# KiCad board phase-control.kicad_pcb
title: Phase Control; date: 2026-06-28; rev: A; company: © 2026 Sam Hanes, licensed CERN-OHL-W v2; note: https://github.com/Elemecca/lgp21-mini
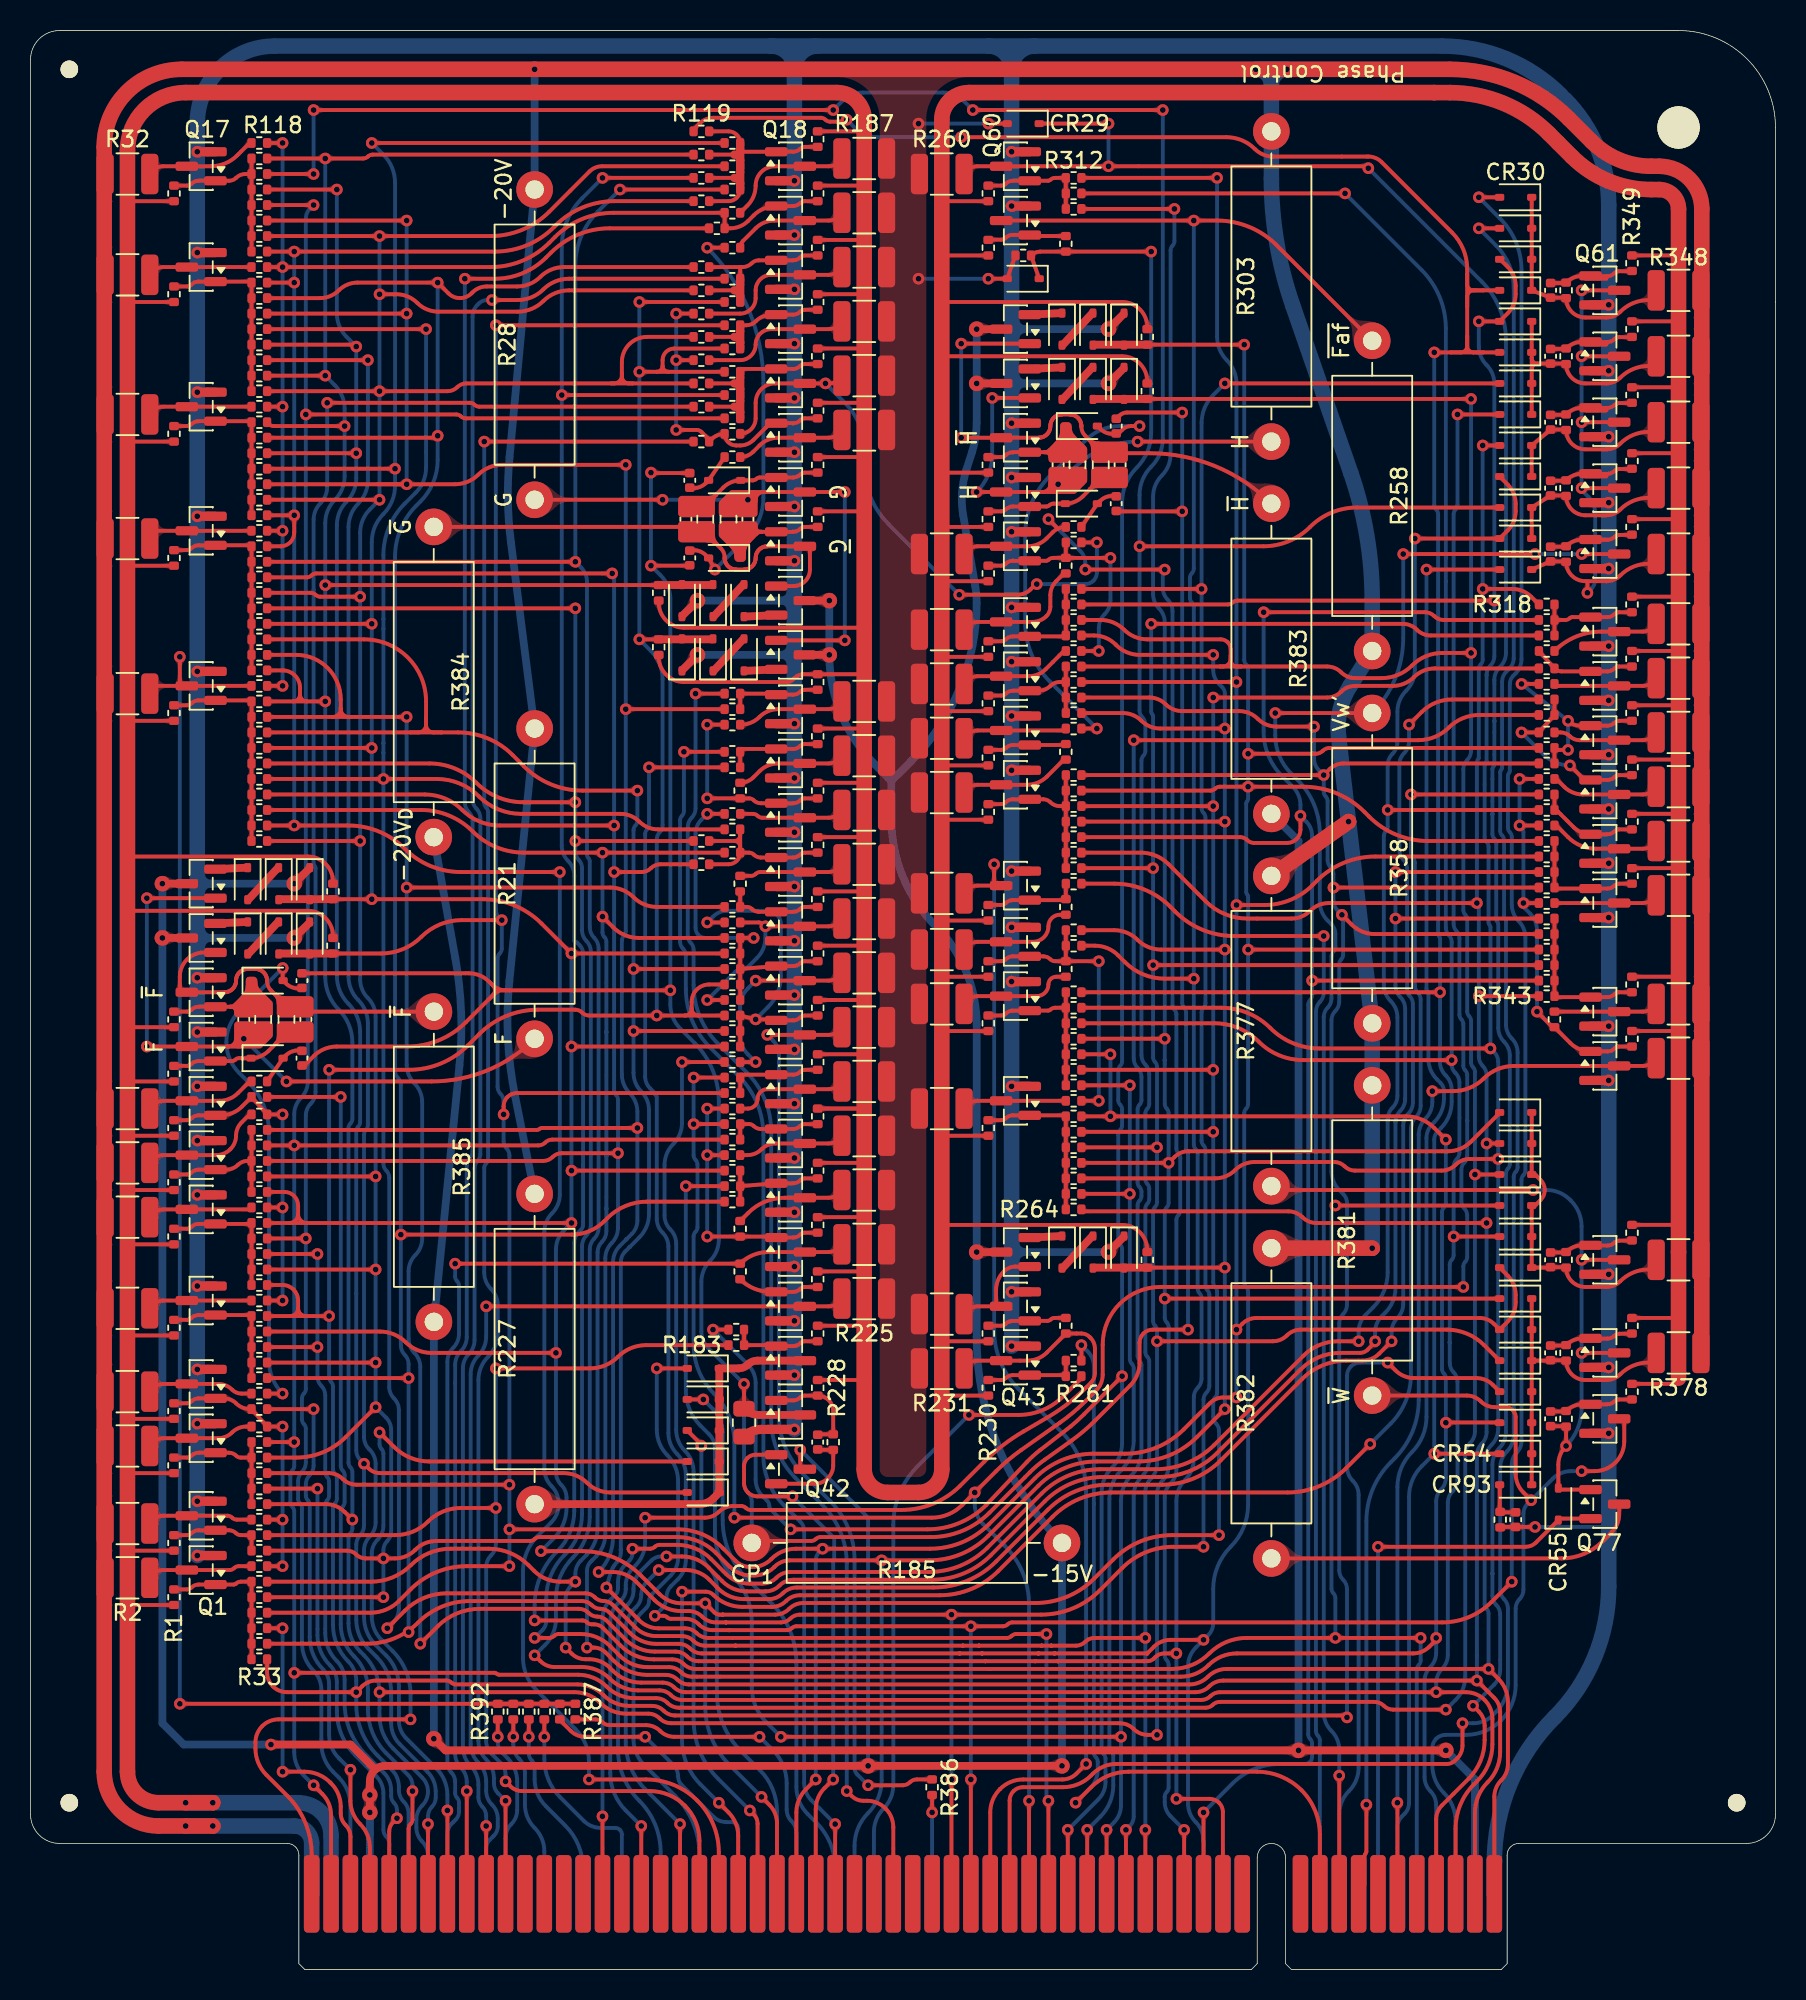
[diagram p0: board, top side]
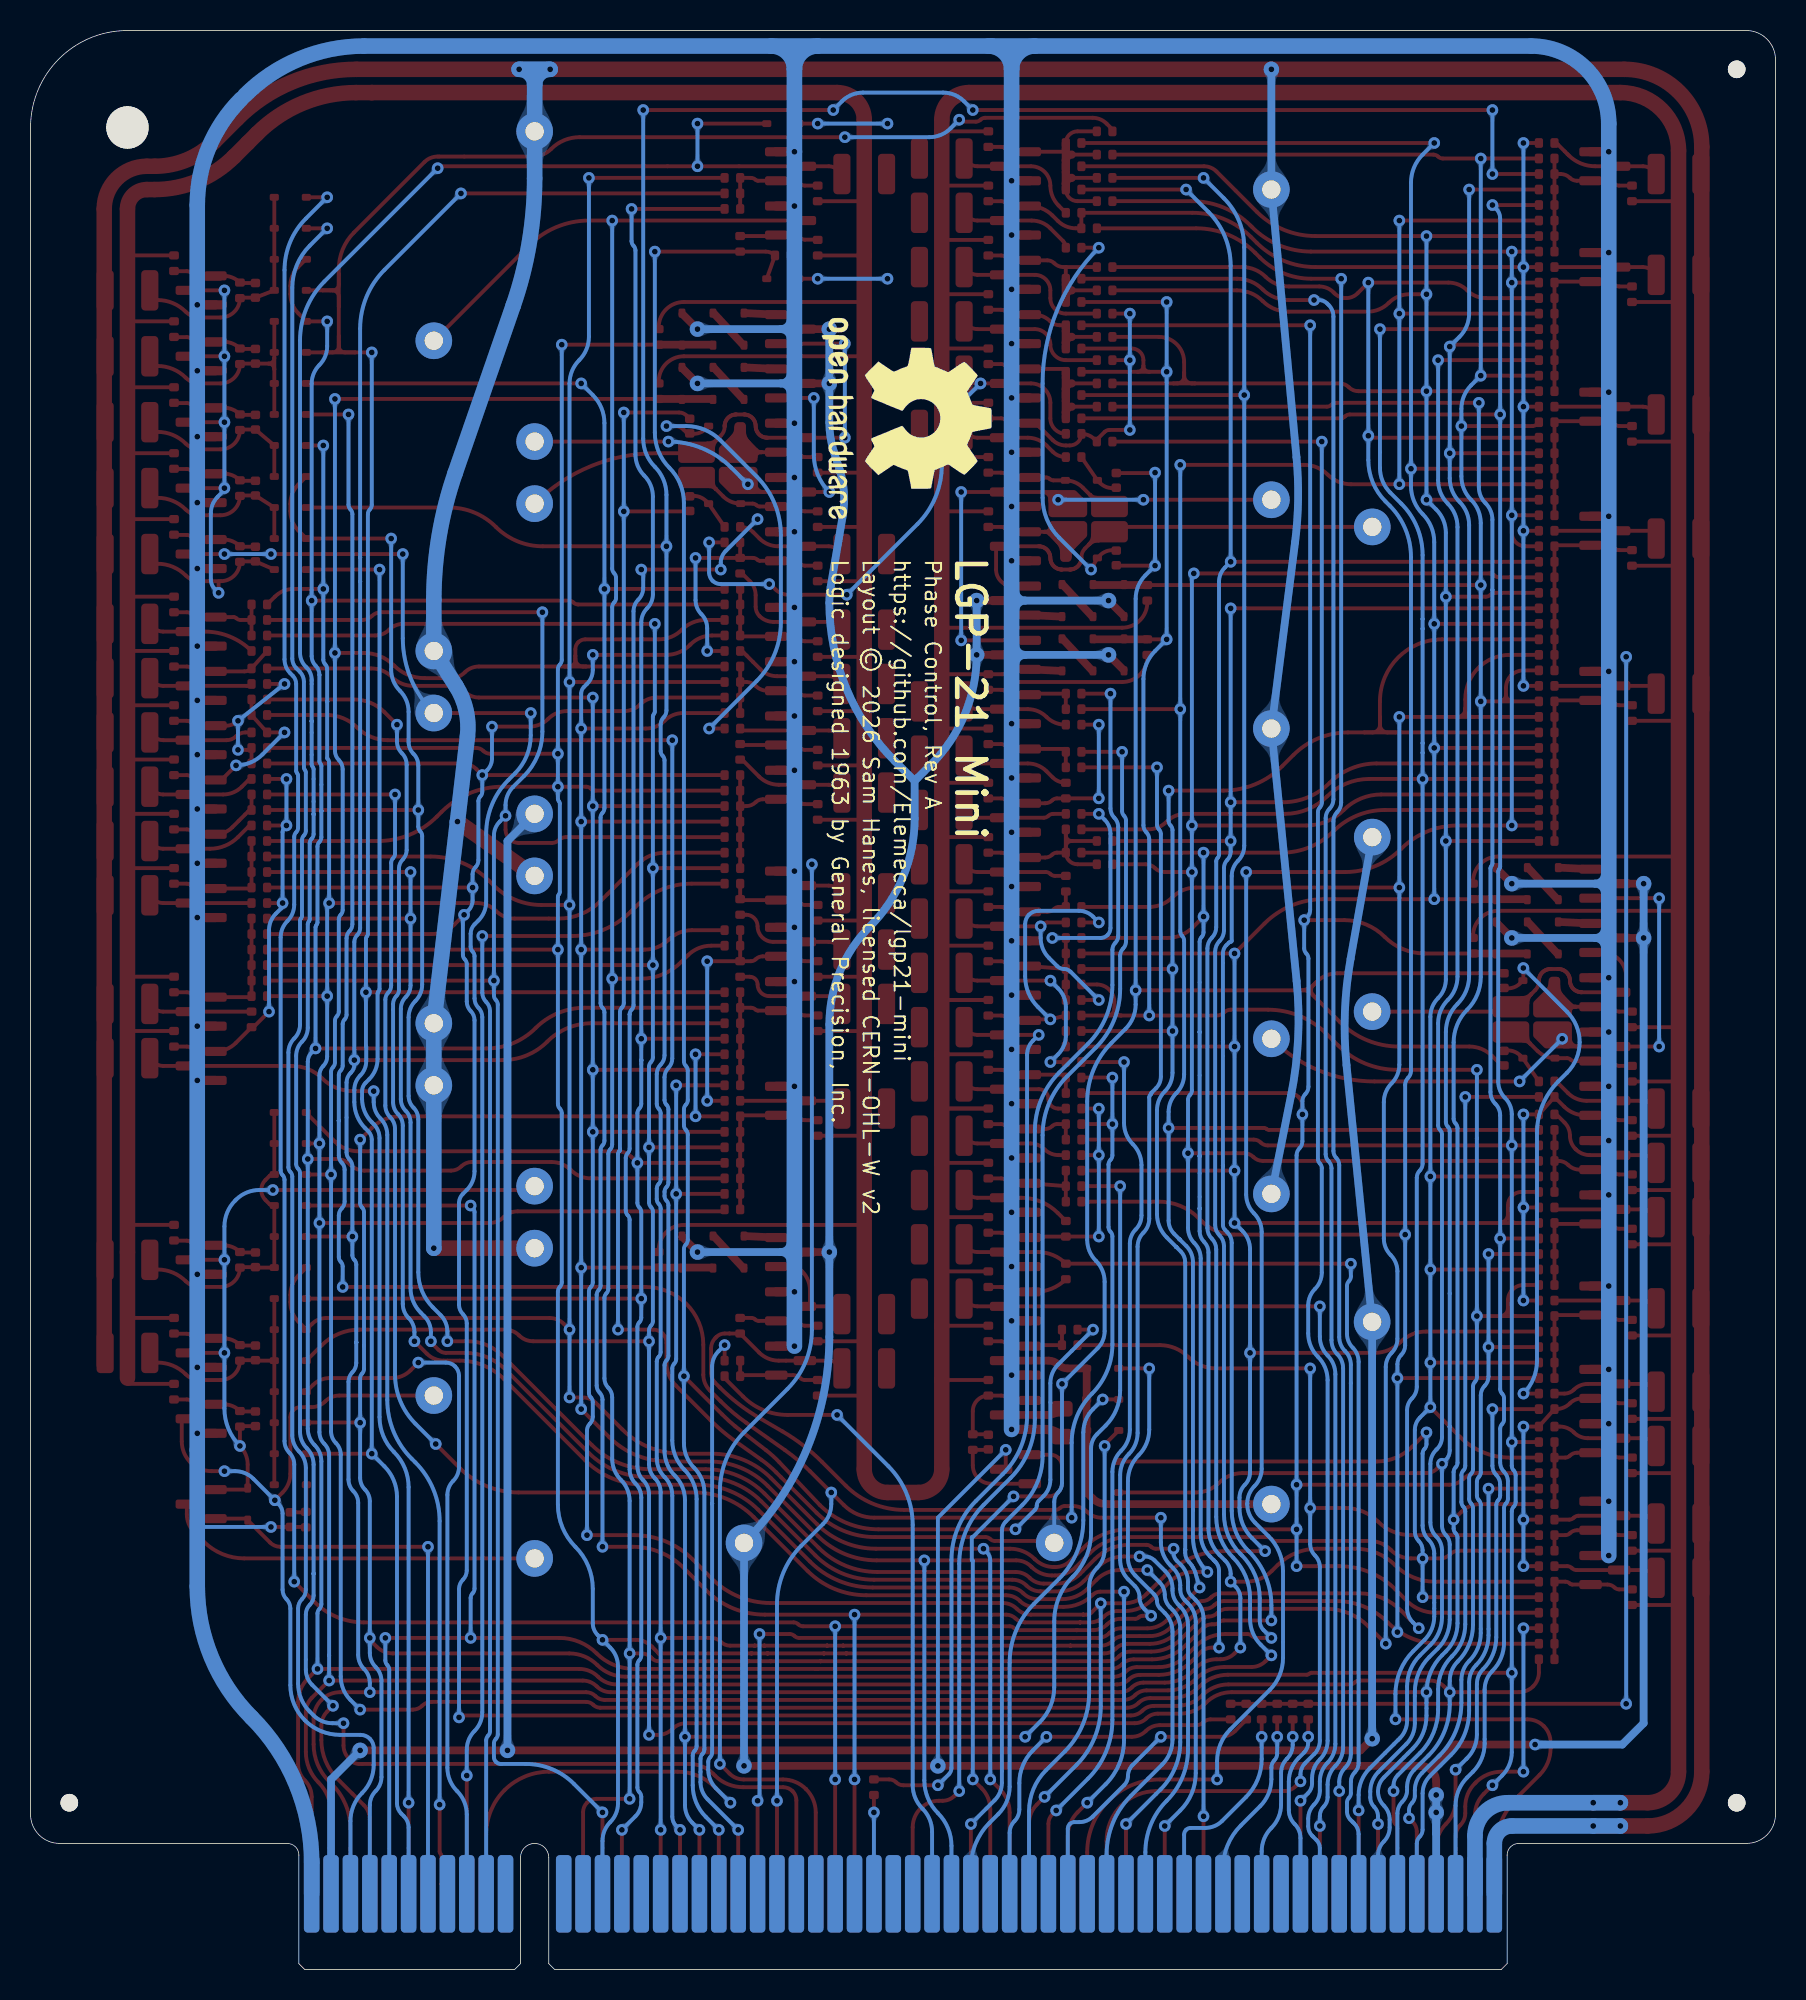
[diagram p1: board, bottom side, seen from below]

Outline 114.3 x 127 mm; copper layers: Top, Bottom. Coordinates in mm from the lower left corner of the outline.
Outline path: 90.68,127 1.91,127 arc(0.56,126.44) 0,125.09 0,10.16 arc(0.56,8.81) 1.91,8.25 16.81,8.25 ; 97.49,8.25 112.39,8.25 arc(113.74,8.81) 114.3,10.16 114.3,109.22
Stack: Top 0.035mm / dielectric 1.51mm FR4 er 4.5 / Bottom 0.035mm

## Placement (name value [footprint] x y rotation side)
C1  120p  [C_0402_1005Metric]  18.03 62.23 90 top
C2  680p  [C_0402_1005Metric]  17.78 59.69 270 top
C3  680p  [C_0402_1005Metric]  17.78 64.77 90 top
C4  120p  [C_0402_1005Metric]  13.97 62.23 270 top
C5  120p  [C_0402_1005Metric]  42.93 95 270 top
C6  680p  [C_0402_1005Metric]  43.18 97.54 90 top
C7  680p  [C_0402_1005Metric]  43.18 92.46 270 top
C8  120p  [C_0402_1005Metric]  46.99 95 90 top
C9  680p  [C_0402_1005Metric]  51.56 34.54 90 top
C10  120p  [C_0402_1005Metric]  71.37 98.55 90 top
C11  680p  [C_0402_1005Metric]  71.12 96.01 270 top
C12  680p  [C_0402_1005Metric]  71.12 101.09 90 top
C13  120p  [C_0402_1005Metric]  67.31 98.55 270 top
C14  120p  [C_0402_1005Metric]  99.57 109.98 270 top
C15  120p  [C_0402_1005Metric]  99.57 105.66 270 top
C16  120p  [C_0402_1005Metric]  99.57 101.35 270 top
C17  120p  [C_0402_1005Metric]  99.57 97.03 270 top
C18  120p  [C_0402_1005Metric]  99.57 92.71 270 top
C19  120p  [C_0402_1005Metric]  99.57 46.48 270 top
C20  120p  [C_0402_1005Metric]  99.57 40.39 270 top
C21  120p  [C_0402_1005Metric]  99.57 36.07 270 top
C900  680p  [C_0402_1005Metric]  97.28 29.46 90 top
CR1  1N4148WS  [D_SOD-323]  15.49 59.69 0 top
CR2  1N4148WS  [D_SOD-323]  15.49 64.77 0 top
CR3  1N4148WS  [D_SOD-323]  18.29 67.56 270 top
CR4  1N4148WS  [D_SOD-323]  16.26 67.56 270 top
CR5  1N4148WS  [D_SOD-323]  14.22 67.56 270 top
CR6  1N4148WS  [D_SOD-323]  18.29 71.12 270 top
CR7  1N4148WS  [D_SOD-323]  16.26 71.12 270 top
CR8  1N4148WS  [D_SOD-323]  14.22 71.12 270 top
CR9  1N4148WS  [D_SOD-323]  45.47 97.54 180 top
CR10  1N4148WS  [D_SOD-323]  45.47 92.46 180 top
CR11  1N4148WS  [D_SOD-323]  42.67 89.66 90 top
CR12  1N4148WS  [D_SOD-323]  44.7 89.66 90 top
CR13  1N4148WS  [D_SOD-323]  46.74 89.66 90 top
CR16  1N4148WS  [D_SOD-323]  46.74 86.11 90 top
CR17  1N4148WS  [D_SOD-323]  44.7 86.11 90 top
CR18  1N4148WS  [D_SOD-323]  42.67 86.11 90 top
CR20  1N4148WS  [D_SOD-323]  68.83 96.01 0 top
CR21  1N4148WS  [D_SOD-323]  68.83 101.09 0 top
CR22  1N4148WS  [D_SOD-323]  71.63 103.89 270 top
CR23  1N4148WS  [D_SOD-323]  69.6 103.89 270 top
CR24  1N4148WS  [D_SOD-323]  67.56 103.89 270 top
CR25  1N4148WS  [D_SOD-323]  71.63 107.44 270 top
CR26  1N4148WS  [D_SOD-323]  69.6 107.44 270 top
CR27  1N4148WS  [D_SOD-323]  67.56 107.44 270 top
CR28  1N4148WS  [D_SOD-323]  65.02 110.74 180 top
CR29  1N4148WS  [D_SOD-323]  65.02 120.9 180 top
CR30  1N4148WS  [D_SOD-323]  97.28 116.08 180 top
CR31  1N4148WS  [D_SOD-323]  97.28 114.05 180 top
CR32  1N4148WS  [D_SOD-323]  97.28 112.01 180 top
CR33  1N4148WS  [D_SOD-323]  97.28 109.98 180 top
CR34  1N4148WS  [D_SOD-323]  97.28 107.95 180 top
CR35  1N4148WS  [D_SOD-323]  97.28 105.92 180 top
CR36  1N4148WS  [D_SOD-323]  97.28 103.89 180 top
CR37  1N4148WS  [D_SOD-323]  97.28 101.85 180 top
CR38  1N4148WS  [D_SOD-323]  97.28 99.82 180 top
CR39  1N4148WS  [D_SOD-323]  97.28 97.79 180 top
CR40  1N4148WS  [D_SOD-323]  97.28 95.76 180 top
CR41  1N4148WS  [D_SOD-323]  97.28 93.73 180 top
CR42  1N4148WS  [D_SOD-323]  97.28 91.69 180 top
CR43  1N4148WS  [D_SOD-323]  97.28 56.13 180 top
CR44  1N4148WS  [D_SOD-323]  97.28 54.1 180 top
CR45  1N4148WS  [D_SOD-323]  97.28 52.07 180 top
CR46  1N4148WS  [D_SOD-323]  97.28 50.04 180 top
CR47  1N4148WS  [D_SOD-323]  97.28 48.01 180 top
CR48  1N4148WS  [D_SOD-323]  97.28 45.97 180 top
CR49  1N4148WS  [D_SOD-323]  97.28 43.94 180 top
CR50  1N4148WS  [D_SOD-323]  97.28 41.91 180 top
CR51  1N4148WS  [D_SOD-323]  97.28 39.88 180 top
CR52  1N4148WS  [D_SOD-323]  97.28 37.85 180 top
CR53  1N4148WS  [D_SOD-323]  97.28 35.81 180 top
CR54  1N4148WS  [D_SOD-323]  97.28 33.78 180 top
CR55  1N4148WS  [D_SOD-323]  100.08 30.48 90 top
CR56  1N4148WS  [D_SOD-323]  44.07 35.31 180 top
CR57  1N4148WS  [D_SOD-323]  44.07 37.34 180 top
CR58  1N4148WS  [D_SOD-323]  44.07 39.37 180 top
CR59  1N4148WS  [D_SOD-323]  44.07 31.24 180 top
CR60  1N4148WS  [D_SOD-323]  44.07 33.27 180 top
CR90  1N4148WS  [D_SOD-323]  71.63 46.99 270 top
CR91  1N4148WS  [D_SOD-323]  69.6 46.99 270 top
CR92  1N4148WS  [D_SOD-323]  67.56 46.99 270 top
CR93  1N4148WS  [D_SOD-323]  97.28 31.75 180 top
MH1  Bivar CP-26 WE  [Bivar_CP-26_WE]  107.95 120.65 180 bottom
P1  Card Edge  [Bus_PCI_5V_32bit]  57.15 8.25 0 top
Q1  MMBT5401  [SOT-23]  11.18 26.16 180 top
Q2  MMBT5401  [SOT-23]  11.18 29.72 180 top
Q3  MMBT5401  [SOT-23]  11.18 34.8 180 top
Q4  MMBT5401  [SOT-23]  11.18 38.35 180 top
Q5  MMBT5401  [SOT-23]  11.18 43.81 180 top
Q6  MMBT5401  [SOT-23]  11.18 49.78 180 top
Q7  MMBT5401  [SOT-23]  11.18 53.34 180 top
Q8  MMBT5401  [SOT-23]  11.18 56.9 180 top
Q9  MMBT5401  [SOT-23]  11.18 60.45 180 top
Q10  MMBT5401  [SOT-23]  11.18 64.01 180 top
Q11  MMBT5401  [SOT-23]  11.18 67.56 180 top
Q12  MMBT5401  [SOT-23]  11.18 71.12 180 top
Q13  MMBT5401  [SOT-23]  11.18 84.07 180 top
Q14  MMBT5401  [SOT-23]  11.18 94.23 180 top
Q15  MMBT5401  [SOT-23]  11.18 102.36 180 top
Q16  MMBT5401  [SOT-23]  11.18 111.51 180 top
Q17  MMBT5401  [SOT-23]  11.18 118.11 180 top
Q18  MMBT5401  [SOT-23]  49.78 118.11 0 top
Q19  MMBT5401  [SOT-23]  49.78 114.55 0 top
Q20  MMBT5401  [SOT-23]  49.78 111 0 top
Q21  MMBT5401  [SOT-23]  49.78 107.44 0 top
Q22  MMBT5401  [SOT-23]  49.78 103.89 0 top
Q23  MMBT5401  [SOT-23]  49.78 100.33 0 top
Q24  MMBT5401  [SOT-23]  49.78 96.77 0 top
Q25  MMBT5401  [SOT-23]  49.78 93.22 0 top
Q26  MMBT5401  [SOT-23]  49.78 89.66 0 top
Q27  MMBT5401  [SOT-23]  49.78 86.11 0 top
Q28  MMBT5401  [SOT-23]  49.78 82.55 0 top
Q29  MMBT5401  [SOT-23]  49.78 78.99 0 top
Q30  MMBT5401  [SOT-23]  49.78 75.44 0 top
Q31  MMBT5401  [SOT-23]  49.78 71.88 0 top
Q32  MMBT5401  [SOT-23]  49.78 68.33 0 top
Q33  MMBT5401  [SOT-23]  49.78 64.77 0 top
Q34  MMBT5401  [SOT-23]  49.78 61.21 0 top
Q35  MMBT5401  [SOT-23]  49.78 57.66 0 top
Q36  MMBT5401  [SOT-23]  49.78 54.1 0 top
Q37  MMBT5401  [SOT-23]  49.78 50.55 0 top
Q38  MMBT5401  [SOT-23]  49.78 46.99 0 top
Q39  MMBT5401  [SOT-23]  49.78 43.43 0 top
Q40  MMBT5401  [SOT-23]  49.78 39.88 0 top
Q41  MMBT5401  [SOT-23]  49.78 36.32 0 top
Q42  MMBT5401  [SOT-23]  49.78 32.77 0 top
Q43  MMBT5401  [SOT-23]  64.52 39.88 180 top
Q44  MMBT5401  [SOT-23]  64.52 43.43 180 top
Q45  MMBT5401  [SOT-23]  64.52 46.99 180 top
Q46  MMBT5401  [SOT-23]  64.52 56.9 180 top
Q47  MMBT5401  [SOT-23]  64.52 63.75 180 top
Q48  MMBT5401  [SOT-23]  64.52 67.31 180 top
Q49  MMBT5401  [SOT-23]  64.52 70.99 180 top
Q50  MMBT5401  [SOT-23]  64.52 77.6 180 top
Q51  MMBT5401  [SOT-23]  64.52 81.15 180 top
Q52  MMBT5401  [SOT-23]  64.52 84.71 180 top
Q53  MMBT5401  [SOT-23]  64.52 88.26 180 top
Q54  MMBT5401  [SOT-23]  64.52 93.22 180 top
Q55  MMBT5401  [SOT-23]  64.52 96.77 180 top
Q56  MMBT5401  [SOT-23]  64.52 100.33 180 top
Q57  MMBT5401  [SOT-23]  64.52 103.89 180 top
Q58  MMBT5401  [SOT-23]  64.52 107.44 180 top
Q59  MMBT5401  [SOT-23]  64.52 114.55 180 top
Q60  MMBT5401  [SOT-23]  64.52 118.11 180 top
Q61  MMBT5401  [SOT-23]  103.12 109.98 0 top
Q62  MMBT5401  [SOT-23]  103.12 105.66 0 top
Q63  MMBT5401  [SOT-23]  103.12 101.35 0 top
Q64  MMBT5401  [SOT-23]  103.12 97.03 0 top
Q65  MMBT5401  [SOT-23]  103.12 92.71 0 top
Q66  MMBT5401  [SOT-23]  103.12 87.63 0 top
Q67  MMBT5401  [SOT-23]  103.12 84.07 0 top
Q68  MMBT5401  [SOT-23]  103.12 80.52 0 top
Q69  MMBT5401  [SOT-23]  103.12 76.96 0 top
Q70  MMBT5401  [SOT-23]  103.12 73.41 0 top
Q71  MMBT5401  [SOT-23]  103.12 69.85 0 top
Q72  MMBT5401  [SOT-23]  103.12 62.74 0 top
Q73  MMBT5401  [SOT-23]  103.12 59.18 0 top
Q74  MMBT5401  [SOT-23]  103.12 46.48 0 top
Q75  MMBT5401  [SOT-23]  103.12 40.39 0 top
Q76  MMBT5401  [SOT-23]  103.12 36.07 0 top
Q77  MMBT5401  [SOT-23]  103.12 30.48 0 top
R1  56k  [R_0402_1005Metric]  9.4 24.38 270 top
R2  2k ½W  [R_1210_3225Metric]  6.35 25.65 0 top
R3  56k  [R_0402_1005Metric]  9.4 27.94 270 top
R4  2k ½W  [R_1210_3225Metric]  6.35 29.21 0 top
R5  56k  [R_0402_1005Metric]  9.4 33.02 270 top
R6  2k ½W  [R_1210_3225Metric]  6.35 34.29 0 top
R7  56k  [R_0402_1005Metric]  9.4 36.58 270 top
R8  2k ½W  [R_1210_3225Metric]  6.35 37.85 0 top
R9  56k  [R_0402_1005Metric]  9.4 42.04 270 top
R10  2k ½W  [R_1210_3225Metric]  6.35 43.31 0 top
R11  56k  [R_0402_1005Metric]  9.4 48.01 270 top
R12  2k ½W  [R_1210_3225Metric]  6.35 49.28 0 top
R13  56k  [R_0402_1005Metric]  9.4 51.56 270 top
R14  2k ½W  [R_1210_3225Metric]  6.35 52.83 0 top
R15  56k  [R_0402_1005Metric]  9.4 55.12 270 top
R16  2k ½W  [R_1210_3225Metric]  6.35 56.39 0 top
R17  33k  [R_0402_1005Metric]  9.4 58.67 270 top
R18  33k  [R_0402_1005Metric]  9.4 62.23 270 top
R19  56k  [R_0402_1005Metric]  19.81 67.06 90 top
R20  56k  [R_0402_1005Metric]  19.81 70.61 90 top
R21  300R 3W  [R_Axial_DIN0516_L15.5mm_D5.0mm_P20.32mm_Horizontal]  33.02 81.28 270 top
R22  56k  [R_0402_1005Metric]  9.4 82.3 270 top
R23  2k ½W  [R_1210_3225Metric]  6.35 83.57 0 top
R24  56k  [R_0402_1005Metric]  9.4 92.46 270 top
R25  2k ½W  [R_1210_3225Metric]  6.35 93.73 0 top
R26  56k  [R_0402_1005Metric]  9.4 100.58 270 top
R27  2k ½W  [R_1210_3225Metric]  6.35 101.85 0 top
R28  300R 3W  [R_Axial_DIN0516_L15.5mm_D5.0mm_P20.32mm_Horizontal]  33.02 116.59 270 top
R29  56k  [R_0402_1005Metric]  9.4 109.73 270 top
R30  2k ½W  [R_1210_3225Metric]  6.35 111 0 top
R31  56k  [R_0402_1005Metric]  9.4 116.33 270 top
R32  2k ½W  [R_1210_3225Metric]  6.35 117.6 0 top
R33  15k  [R_0402_1005Metric]  14.99 20.32 180 top
R34  15k  [R_0402_1005Metric]  14.99 21.34 180 top
R35  15k  [R_0402_1005Metric]  14.99 22.35 180 top
R36  15k  [R_0402_1005Metric]  14.99 23.37 180 top
R37  15k  [R_0402_1005Metric]  14.99 24.38 180 top
R38  15k  [R_0402_1005Metric]  14.99 25.4 180 top
R39  15k  [R_0402_1005Metric]  14.99 26.42 0 top
R40  15k  [R_0402_1005Metric]  14.99 27.43 180 top
R41  15k  [R_0402_1005Metric]  14.99 28.45 180 top
R42  15k  [R_0402_1005Metric]  14.99 29.46 0 top
R43  15k  [R_0402_1005Metric]  14.99 30.48 180 top
R44  15k  [R_0402_1005Metric]  14.99 31.5 180 top
R45  15k  [R_0402_1005Metric]  14.99 32.51 180 top
R46  15k  [R_0402_1005Metric]  14.99 33.53 180 top
R47  15k  [R_0402_1005Metric]  14.99 34.54 180 top
R48  15k  [R_0402_1005Metric]  14.99 35.56 0 top
R49  15k  [R_0402_1005Metric]  14.99 36.7 180 top
R50  2k4  [R_0402_1005Metric]  14.99 37.72 0 top
R51  15k  [R_0402_1005Metric]  14.99 38.73 180 top
R52  15k  [R_0402_1005Metric]  14.99 39.75 180 top
R53  15k  [R_0402_1005Metric]  14.99 40.77 180 top
R54  15k  [R_0402_1005Metric]  14.99 41.78 180 top
R55  15k  [R_0402_1005Metric]  14.99 42.8 180 top
R56  15k  [R_0402_1005Metric]  14.99 43.81 0 top
R57  15k  [R_0402_1005Metric]  14.99 44.83 180 top
R58  15k  [R_0402_1005Metric]  14.99 45.85 180 top
R59  15k  [R_0402_1005Metric]  14.99 46.86 180 top
R60  15k  [R_0402_1005Metric]  14.99 47.88 180 top
R61  15k  [R_0402_1005Metric]  14.99 48.89 180 top
R62  15k  [R_0402_1005Metric]  14.99 49.91 0 top
R63  15k  [R_0402_1005Metric]  14.99 50.93 180 top
R64  15k  [R_0402_1005Metric]  14.99 51.94 180 top
R65  15k  [R_0402_1005Metric]  14.99 52.96 180 top
R66  15k  [R_0402_1005Metric]  14.99 53.97 180 top
R67  15k  [R_0402_1005Metric]  14.99 54.99 180 top
R68  15k  [R_0402_1005Metric]  14.99 56.01 0 top
R69  15k  [R_0402_1005Metric]  14.99 57.15 180 top
R70  2k4  [R_0402_1005Metric]  14.99 58.17 180 top
R71  2k4 ¼W  [R_0603_1608Metric]  16.76 62.23 270 top
R72  2k4 ¼W  [R_0603_1608Metric]  15.24 62.23 270 top
R73  15k  [R_0402_1005Metric]  14.99 73.91 180 top
R74  15k  [R_0402_1005Metric]  14.99 74.93 180 top
R75  15k  [R_0402_1005Metric]  14.99 75.95 180 top
R76  15k  [R_0402_1005Metric]  14.99 76.96 180 top
R77  15k  [R_0402_1005Metric]  14.99 77.98 180 top
R78  15k  [R_0402_1005Metric]  14.99 78.99 180 top
R79  15k  [R_0402_1005Metric]  14.99 80.01 180 top
R80  15k  [R_0402_1005Metric]  14.99 81.03 180 top
R81  15k  [R_0402_1005Metric]  14.99 82.04 180 top
R82  15k  [R_0402_1005Metric]  14.99 83.06 180 top
R83  15k  [R_0402_1005Metric]  14.99 84.07 0 top
R84  15k  [R_0402_1005Metric]  14.99 85.09 180 top
R85  15k  [R_0402_1005Metric]  14.99 86.11 180 top
R86  15k  [R_0402_1005Metric]  14.99 87.12 180 top
R87  15k  [R_0402_1005Metric]  14.99 88.14 180 top
R88  15k  [R_0402_1005Metric]  14.99 89.15 180 top
R89  15k  [R_0402_1005Metric]  14.99 90.17 180 top
R90  15k  [R_0402_1005Metric]  14.99 91.19 180 top
R91  15k  [R_0402_1005Metric]  14.99 92.2 180 top
R92  15k  [R_0402_1005Metric]  14.99 93.22 180 top
R93  15k  [R_0402_1005Metric]  14.99 94.23 0 top
R94  15k  [R_0402_1005Metric]  14.99 95.25 180 top
R95  15k  [R_0402_1005Metric]  14.99 96.27 180 top
R96  15k  [R_0402_1005Metric]  14.99 97.28 180 top
R97  15k  [R_0402_1005Metric]  14.99 98.3 180 top
R98  15k  [R_0402_1005Metric]  14.99 99.31 180 top
R99  15k  [R_0402_1005Metric]  14.99 100.33 180 top
R100  15k  [R_0402_1005Metric]  14.99 101.35 180 top
R101  15k  [R_0402_1005Metric]  14.99 102.36 0 top
R102  15k  [R_0402_1005Metric]  14.99 103.38 180 top
R103  15k  [R_0402_1005Metric]  14.99 104.39 180 top
R104  15k  [R_0402_1005Metric]  14.99 105.41 180 top
R105  15k  [R_0402_1005Metric]  14.99 106.43 180 top
R106  15k  [R_0402_1005Metric]  14.99 107.44 180 top
R107  15k  [R_0402_1005Metric]  14.99 108.46 180 top
R108  15k  [R_0402_1005Metric]  14.99 109.47 180 top
R109  15k  [R_0402_1005Metric]  14.99 110.49 180 top
R110  15k  [R_0402_1005Metric]  14.99 111.51 0 top
R111  15k  [R_0402_1005Metric]  14.99 112.52 180 top
R112  15k  [R_0402_1005Metric]  14.99 113.54 180 top
R113  15k  [R_0402_1005Metric]  14.99 114.55 180 top
R114  15k  [R_0402_1005Metric]  14.99 115.57 180 top
R115  15k  [R_0402_1005Metric]  14.99 116.59 180 top
R116  15k  [R_0402_1005Metric]  14.99 117.6 180 top
R117  15k  [R_0402_1005Metric]  14.99 118.62 180 top
R118  15k  [R_0402_1005Metric]  14.99 119.63 0 top
R119  15k  [R_0402_1005Metric]  43.94 120.4 0 top
R120  15k  [R_0402_1005Metric]  45.97 119.63 0 top
R121  15k  [R_0402_1005Metric]  43.94 118.87 0 top
R122  15k  [R_0402_1005Metric]  45.97 118.11 0 top
R123  15k  [R_0402_1005Metric]  43.94 117.35 0 top
R124  15k  [R_0402_1005Metric]  45.97 116.59 0 top
R125  15k  [R_0402_1005Metric]  43.94 115.82 0 top
R126  15k  [R_0402_1005Metric]  45.97 115.06 180 top
R127  15k  [R_0402_1005Metric]  44.96 114.05 0 top
R128  2k4  [R_0402_1005Metric]  45.97 112.78 180 top
R129  15k  [R_0402_1005Metric]  43.94 111.51 0 top
R130  15k  [R_0402_1005Metric]  45.97 110.74 0 top
R131  15k  [R_0402_1005Metric]  43.94 109.98 0 top
R132  15k  [R_0402_1005Metric]  45.97 109.22 0 top
R133  15k  [R_0402_1005Metric]  43.94 108.46 180 top
R134  15k  [R_0402_1005Metric]  45.97 107.7 0 top
R135  15k  [R_0402_1005Metric]  43.94 106.93 0 top
R136  15k  [R_0402_1005Metric]  45.97 106.17 0 top
R137  15k  [R_0402_1005Metric]  43.94 105.41 180 top
R138  15k  [R_0402_1005Metric]  45.97 104.65 0 top
R139  15k  [R_0402_1005Metric]  43.94 103.89 0 top
R140  15k  [R_0402_1005Metric]  45.97 103.12 0 top
R141  15k  [R_0402_1005Metric]  43.94 102.36 0 top
R142  15k  [R_0402_1005Metric]  45.97 101.6 0 top
R143  15k  [R_0402_1005Metric]  45.97 100.58 180 top
R144  15k  [R_0402_1005Metric]  43.94 100.08 0 top
R145  2k4  [R_0402_1005Metric]  45.97 99.06 0 top
R146  2k4 ¼W  [R_0603_1608Metric]  44.2 95 90 top
R147  2k4 ¼W  [R_0603_1608Metric]  45.72 95 90 top
R148  15k  [R_0402_1005Metric]  45.97 83.57 0 top
R149  15k  [R_0402_1005Metric]  45.97 82.55 0 top
R150  15k  [R_0402_1005Metric]  45.97 81.53 180 top
R151  15k  [R_0402_1005Metric]  45.97 79.76 0 top
R152  15k  [R_0402_1005Metric]  45.97 78.74 0 top
R153  15k  [R_0402_1005Metric]  46.48 77.22 270 top
R154  15k  [R_0402_1005Metric]  45.97 75.69 180 top
R155  15k  [R_0402_1005Metric]  45.97 74.68 0 top
R156  15k  [R_0402_1005Metric]  43.94 73.91 0 top
R157  15k  [R_0402_1005Metric]  45.97 73.15 0 top
R158  15k  [R_0402_1005Metric]  43.94 72.39 0 top
R159  15k  [R_0402_1005Metric]  46.48 71.12 270 top
R160  15k  [R_0402_1005Metric]  45.97 69.6 0 top
R161  15k  [R_0402_1005Metric]  45.97 68.58 180 top
R162  15k  [R_0402_1005Metric]  45.97 67.56 0 top
R163  15k  [R_0402_1005Metric]  45.97 66.55 0 top
R164  15k  [R_0402_1005Metric]  45.97 65.53 0 top
R165  15k  [R_0402_1005Metric]  45.97 64.52 0 top
R166  15k  [R_0402_1005Metric]  45.97 63.5 0 top
R167  15k  [R_0402_1005Metric]  45.97 62.48 0 top
R168  15k  [R_0402_1005Metric]  45.97 61.47 0 top
R169  15k  [R_0402_1005Metric]  45.97 60.45 0 top
R170  15k  [R_0402_1005Metric]  45.97 59.44 180 top
R171  15k  [R_0402_1005Metric]  45.97 58.42 0 top
R172  15k  [R_0402_1005Metric]  45.97 57.4 0 top
R173  15k  [R_0402_1005Metric]  45.97 56.39 180 top
R174  15k  [R_0402_1005Metric]  45.97 55.37 0 top
R175  15k  [R_0402_1005Metric]  45.97 54.36 0 top
R176  15k  [R_0402_1005Metric]  45.97 53.34 180 top
R177  15k  [R_0402_1005Metric]  45.97 52.32 0 top
R178  15k  [R_0402_1005Metric]  45.97 51.31 0 top
R179  15k  [R_0402_1005Metric]  45.97 50.29 0 top
R180  15k  [R_0402_1005Metric]  46.48 48.51 270 top
R181  15k  [R_0402_1005Metric]  46.48 45.72 270 top
R182  15k  [R_0402_1005Metric]  46.23 41.91 0 top
R183  15k  [R_0402_1005Metric]  46.23 40.89 0 top
R184  6k8  [R_0402_1005Metric]  52.58 34.54 90 top
R185  450R 2W  [R_Axial_DIN0516_L15.5mm_D5.0mm_P20.32mm_Horizontal]  67.56 27.94 180 top
R186  56k  [R_0402_1005Metric]  51.56 119.89 90 top
R187  2k ½W  [R_1210_3225Metric]  54.61 118.62 180 top
R188  56k  [R_0402_1005Metric]  51.56 116.33 90 top
R189  2k ½W  [R_1210_3225Metric]  54.61 115.06 180 top
R190  56k  [R_0402_1005Metric]  51.56 112.78 90 top
R191  2k ½W  [R_1210_3225Metric]  54.61 111.51 180 top
R192  56k  [R_0402_1005Metric]  51.56 109.22 90 top
R193  2k ½W  [R_1210_3225Metric]  54.61 107.95 180 top
R194  56k  [R_0402_1005Metric]  51.56 105.66 90 top
R195  2k ½W  [R_1210_3225Metric]  54.61 104.39 180 top
R196  56k  [R_0402_1005Metric]  51.56 102.11 90 top
R197  2k ½W  [R_1210_3225Metric]  54.61 100.84 180 top